# Altium PCB GPS_TRACKER.PcbDoc (part 1 of 2) (continued)
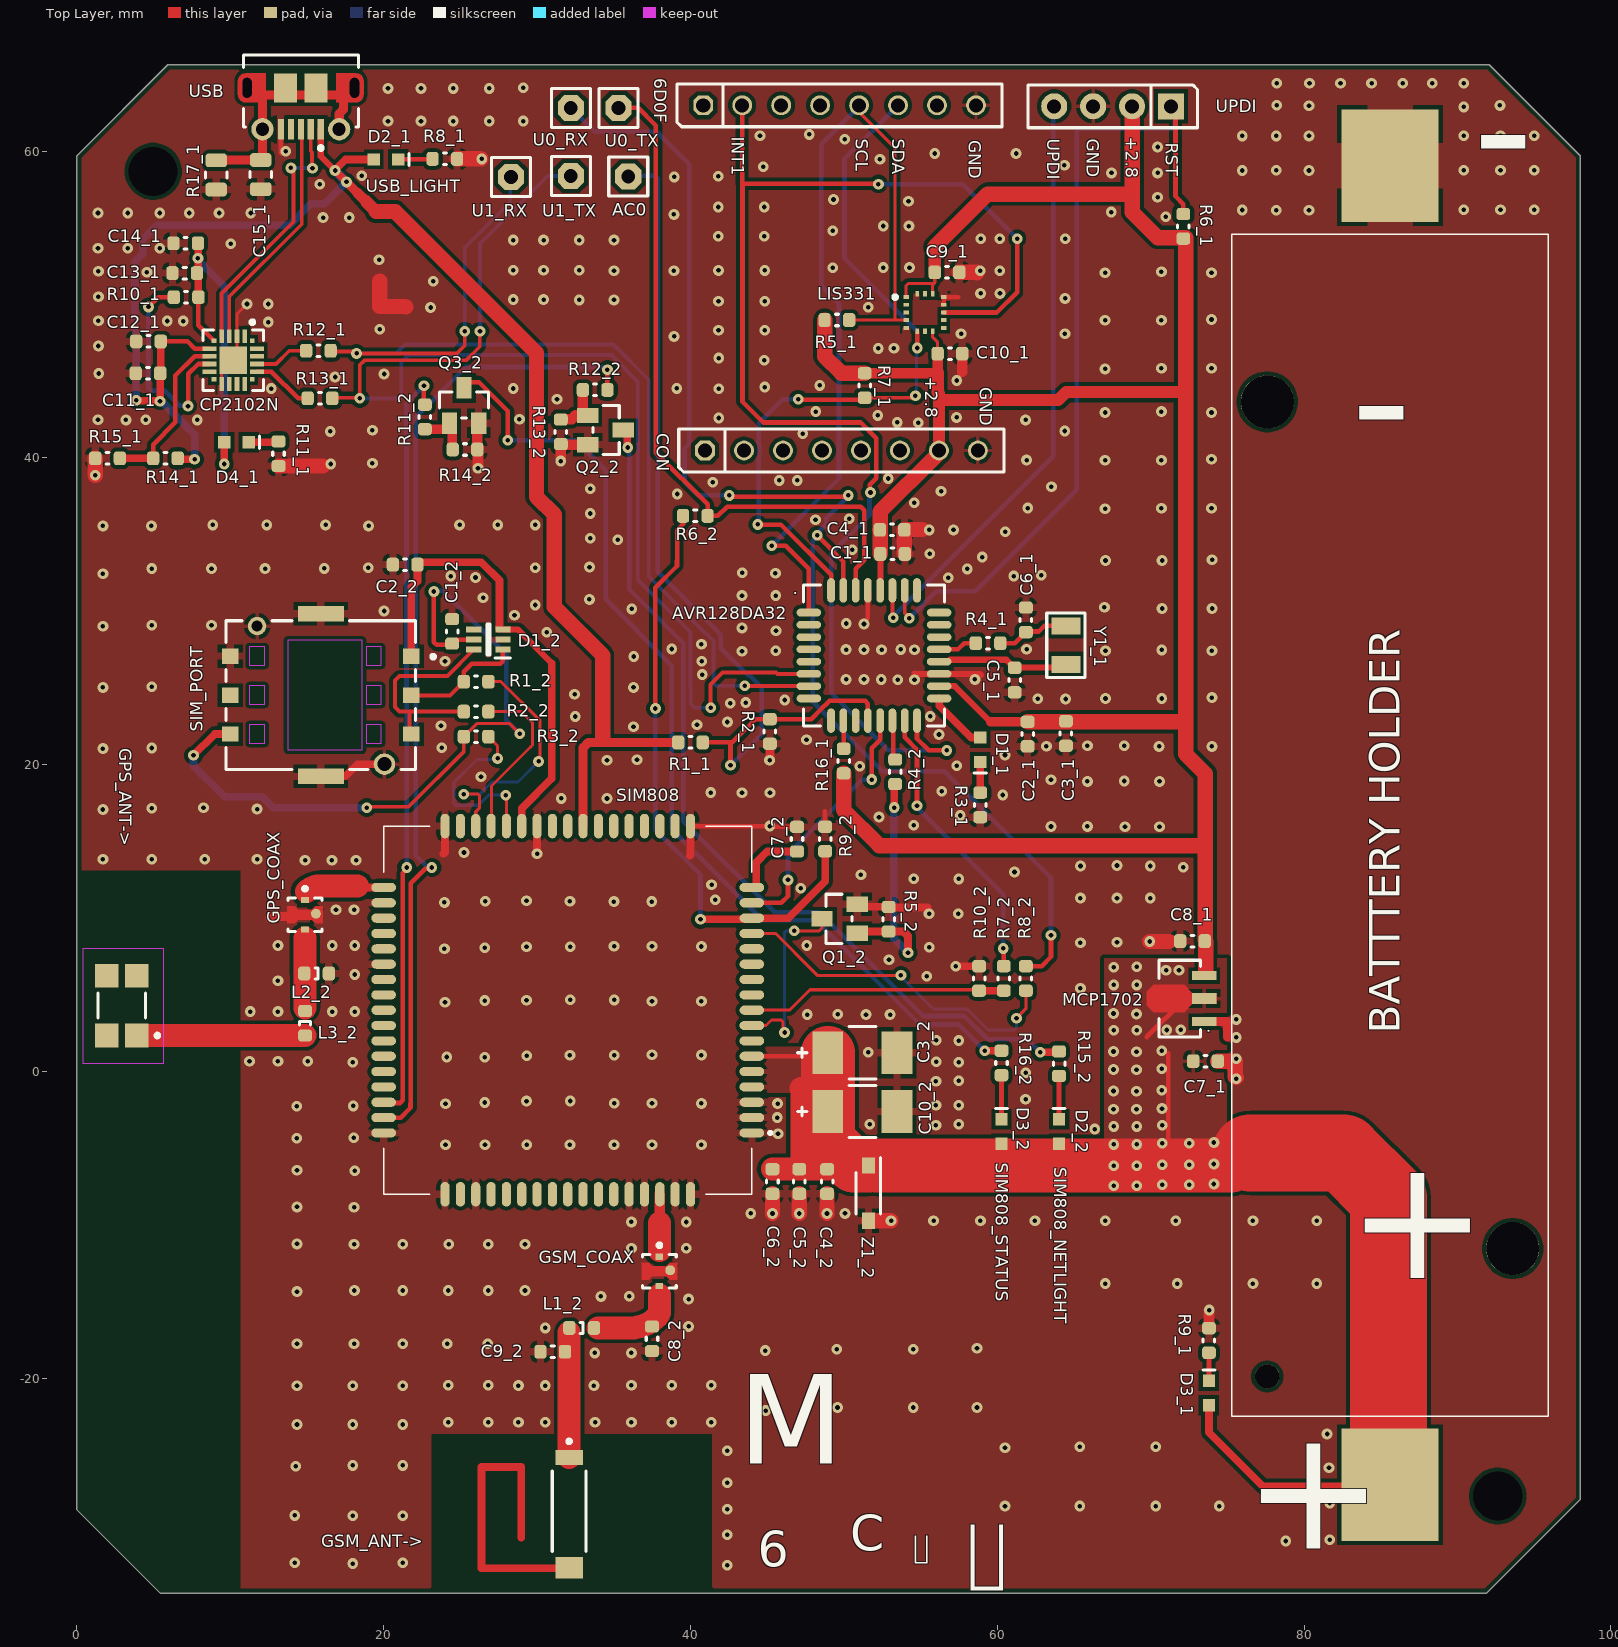
[diagram p0: Top Layer view]
## Footprints (in the part's own frame and the unit in brackets; to place one, negate y for a bottom-side part, rotate by r counter-clockwise, add the part's x,y. Pads: shape width x height; smd on the part's side, far side on the other; paste and mask are expansions set on the pad)
CAP_C_0603 [mm] "Chip Capacitor, 2-Leads, Body 1.6x0.8mm, IPC Medium Density"
  rrect50% 0.8x0.9 smd: 1(-0.8,0) 2(0.8,0)
  silkscreen extent -0.1,-0.38 0.1,0.38, body extent -0.8,-0.4 0.8,0.4, height 0.65
CAP_C_0805 [mm] "Chip Capacitor, 2-Leads, Body 2.0x1.3mm, IPC Medium Density"
  rrect50% 0.9x1.4 smd: 1(-0.95,0) 2(0.95,0)
  silkscreen extent -0.2,-0.7 0.2,0.7, body extent -1,-0.62 1,0.63, height 0.78
CRYSTAL_FX135A_L3.2W1.5H0.9 [mm] "Fox L=3.2mm, W=1.5mm, H=0.9mm"
  rect 1.11x1.9 smd: 1(-1.25,0)
  rect 1.1x1.9 smd: 2(1.25,0)
  silkscreen extent -2.1,-1.25 2.1,1.25, body extent -1.6,-0.75 1.6,0.75, height 0.8
FP-0900AT43A0070E-MFG [mm]
  rect 1x1.8 smd paste+0 mask+0: 1(-3.7,0)
  rect 1.4x1.8 smd paste+0 mask+0: 2(3.5,0)
  silkscreen extent -4.87,-1.1 2.42,1.1, body extent -4.3,-1.2 4.3,1.2, height 0.25
FP-1462350001-MFG [mm]
  rect 1.54x1.54 smd paste+0 mask+0: 1(0.97,-1.95) 2(-0.97,1.95) 3(0.97,1.95) 4(-0.97,-1.95)
  Keep-Out Layer region: -2.539,-3.75 2.741,-3.75 2.741,3.72 -2.539,3.72
  Keep-Out Layer region: -2.539,-3.75 2.741,-3.75 2.741,3.72 -2.539,3.72
  silkscreen extent -1.55,-2.07 2.45,0.8, body extent -2.54,-3.75 2.74,3.72, height 0.25
FP-CP2102N-A02-GQFN20-MFG [mm]
  rect 0.3x0.3 smd paste+0 mask+0: 1(-1.25,1.25) 6(-1.25,-1.25) 11(1.25,-1.25) 16(1.25,1.25)
  rect 0.9x0.3 smd paste+0 mask+0: 2(-1.55,0.75) 3(-1.55,0.25) 4(-1.55,-0.25) 5(-1.55,-0.75) 12(1.55,-0.75) 13(1.55,-0.25) 14(1.55,0.25) 15(1.55,0.75)
  rect 0.3x0.9 smd paste+0 mask+0: 7(-0.75,-1.55) 8(-0.25,-1.55) 9(0.25,-1.55) 10(0.75,-1.55) 17(0.75,1.55) 18(0.25,1.55) 19(-0.25,1.55) 20(-0.75,1.55)
  rect 1.8x1.8 smd paste-1000 mask+0: 21(0,0)
  silkscreen extent -2.6,-1.97 1.97,1.97, body extent -2.1,-2.1 2.1,2.1, height 0.25
FP-MM8030-2610RJ3-MFG [mm]
  rect 0.4x0.5 smd paste-1000 mask-1000: 1(-0.95,0) 2(0.95,0)
  round 0.646 smd paste-1000 mask-1000: 3(-0.069,0.706)
  Top Layer region: -0.55,-1.15 0.55,-1.15 0.55,-0.68 0.32,-0.45 0.32,0.45 0.55,0.68 0.55,1.15 -0.55,1.15 -0.55,0.68 -0.32,0.45 -0.32,-0.45 -0.55,-0.68
  silkscreen extent -1.82,-1.1 1.1,1.1, body extent -1.25,-1.25 1.25,1.25, height 0.25
FP-SIM8051-6-0-14-01-A-MFG [mm]
  round 1.2 hole 0.7 paste-1000 mask+0: 1(4.5,4.15)
  rect 1x3 smd paste+0 mask+0: 2(-5.3,0) 3(5.3,0)
  round 1.4 hole 0.914 paste-1000 mask+0: 4(-4.5,-4.15)
  rect 1x1.1 smd paste+0 mask+0: C1(2.54,-5.9) C2(0,-5.9) C3(-2.54,-5.9) C5(2.54,5.9) C6(0,5.9) C7(-2.54,5.9)
  Keep-Out Layer region: -3.575,-2.7 3.575,-2.7 3.575,2.15 -3.575,2.15
  Keep-Out Layer region: 1.94,-3.95 3.14,-3.95 3.14,-2.95 1.94,-2.95
  Keep-Out Layer region: -0.6,-3.95 0.6,-3.95 0.6,-2.95 -0.6,-2.95
  Keep-Out Layer region: -3.14,-3.95 -1.94,-3.95 -1.94,-2.95 -3.14,-2.95
  Keep-Out Layer region: -3.14,3.65 -1.94,3.65 -1.94,4.65 -3.14,4.65
  Keep-Out Layer region: -0.6,3.65 0.6,3.65 0.6,4.65 -0.6,4.65
  Keep-Out Layer region: 1.94,3.65 3.14,3.65 3.14,4.65 1.94,4.65
  silkscreen extent -4.84,-7.45 4.84,6.17, body extent -5.9,-6.55 5.9,6.55, height 0.25
FP-TAJC-MFG [mm]
  rect 2x2.8 smd paste+0 mask+0: 1(-2.25,0) 2(2.25,0)
  silkscreen extent -0.87,-1.7 4.23,1.7, body extent -3.35,-1.8 3.35,1.8, height 0.25
GSM808 [mm]
  rrect100% 1.6x0.6 smd: 1(-12,8) 2(-12,7) 3(-12,6) 4(-12,5) 5(-12,4) 6(-12,3) 7(-12,2) 8(-12,1) 9(-12,0) 10(-12,-1) 11(-12,-2) 12(-12,-3) 13(-12,-4) 14(-12,-5) 15(-12,-6) 16(-12,-7) 17(-12,-8) 35(12,-8) 36(12,-7) 37(12,-6) 38(12,-5) 39(12,-4) 40(12,-3) 41(12,-2) 42(12,-1) 43(12,0) 44(12,1) 45(12,2) 46(12,3) 47(12,4) 48(12,5) 49(12,6) 50(12,7) 51(12,8)
  rrect100% 0.6x1.6 smd: 18(-8,-12) 19(-7,-12) 20(-6,-12) 21(-5,-12) 22(-4,-12) 23(-3,-12) 24(-2,-12) 25(-1,-12) 26(0,-12) 27(1,-12) 28(2,-12) 29(3,-12) 30(4,-12) 31(5,-12) 32(6,-12) 33(7,-12) 34(8,-12) 52(8,12) 53(7,12) 54(6,12) 55(5,12) 56(4,12) 57(3,12) 58(2,12) 59(1,12) 60(0,12) 61(-1,12) 62(-2,12) 63(-3,12) 64(-4,12) 65(-5,12) 66(-6,12) 67(-7,12) 68(-8,12)
  silkscreen extent -13.3,-12 12,12, body extent -12,-12 12,12, height 2.6
HDR_F_2.54_1x4_U_TH_V_SAM_SSW-104-01-G-S [mm] "Header Female Vertical 4 Way 2.54mm Pitch"
  rect 1.7x1.7 hole 0.914: 1(-3.81,0)
  round 1.7 hole 0.914: 2(-1.27,0) 3(1.27,0) 4(3.81,0)
  silkscreen extent -5.53,-1.4 5.51,1.4, body extent -5.33,-1.21 5.33,1.21, height 8.51
HDR_F_2.54_1x8 [mil] "Header Female Vertical 8 Way 2.54mm Pitch"
  oct 51x51 hole 36: 1(-350,0)
  round 51 hole 36: 2(-250,0) 3(-150,0) 4(-50,0) 5(50,0) 6(150,0) 7(250,0) 8(350,0)
  silkscreen extent -418,-55 417,55, body extent -410,-48 410,48, height 335
HDR_M_2.54_1x1 [mm] "Header Male Vertical 1 Way"
  oct 1.7x1.7 hole 0.9: 1(0,0)
  silkscreen extent -1.27,-1.27 1.27,1.27, body extent -1.27,-1.27 1.27,1.27, height 5.94
IND_C_0603 [mm] "Chip Inductor, 2-Leads, Body 1.6x0.8mm, IPC Medium Density"
  rrect50% 0.8x0.9 smd: 1(-0.8,0) 2(0.8,0)
  silkscreen extent -0.1,-0.35 0.1,0.35, body extent -0.8,-0.4 0.8,0.4, height 0.95
KEYSTONE-1042 [mm]
  rect 7.34x6.35 smd: 1(-43,0) 2(43,0)
  round 3.45 hole 3.45 unplated: 3(-27.6,-8) 4(27.6,8)
  round 1.57 hole 1.57 unplated: 5(35.93,-8)
  silkscreen extent -38.53,-10.33 38.53,10.33, body extent -43.21,-10.33 43.21,10.32, height 15.11
LED_0603_Blue [mm] "LED chip 0603"
  rect 0.8x0.8 smd: 1(-0.8,0) 2(0.8,0)
  silkscreen extent 1.5,-0.4 1.5,0.4, body extent -0.81,-0.4 0.81,0.4, height 0.6
LED_0603_Green [mm] "LED chip 0603"
  rect 0.8x0.8 smd: 1(-0.8,0) 2(0.8,0)
  silkscreen extent 1.5,-0.4 1.5,0.4, body extent -0.81,-0.4 0.81,0.4, height 0.6
LED_0603_RED [mm] "LED chip 0603"
  rect 0.8x0.8 smd: 1(-0.8,0) 2(0.8,0)
  silkscreen extent 1.5,-0.4 1.5,0.4, body extent -0.81,-0.4 0.81,0.4, height 0.6
RES_C_0603 [mm] "Chip Resistor, 2-Leads, Body 1.6x0.8mm, IPC Medium Density"
  rrect50% 0.8x0.9 smd: 1(-0.8,0) 2(0.8,0)
  silkscreen extent -0.1,-0.38 0.1,0.38, body extent -0.8,-0.4 0.8,0.4, height 0.3
RES_C_0805 [mm] "Chip Resistor, 2-Leads, Body 2.0x1.3mm, IPC Medium Density"
  rrect50% 0.9x1.4 smd: 1(-0.95,0) 2(0.95,0)
  silkscreen extent -0.2,-0.7 0.2,0.7, body extent -1,-0.63 1,0.63, height 0.78
SOD3716X135N [mm]
  rect 1.05x0.85 smd: 1(-1.8,0) 2(1.8,0)
  silkscreen extent -2.32,-0.8 1.35,0.8, body extent -1.85,-0.8 1.85,0.8, height 1.35
SOT65P210X110-6N [mm]
  rect 1x0.4 smd: 1(-0.95,0.65) 2(-0.95,0) 3(-0.95,-0.65) 4(0.95,-0.65) 5(0.95,0) 6(0.95,0.65)
  silkscreen extent -1.45,-1 0.1,1.2, body extent -1.05,-1 1.05,1, height 1.1
SOT-23-3 [mm]
  rect 1x1.4 smd: 1(-0.95,-1.15) 2(0.95,-1.15) 3(0,1.15)
  silkscreen extent -1.6,-0.8 1.6,0.9, body extent -1.5,-1.25 1.5,1.25, height 1.09
SOT-89-3 [mm] "SOT-89-3, 4-Leads, Body 4.6x2.6mm (max), Pitch 1.5mm"
  rect 0.6x1.6 smd: 1(-1.5,-1.75) 3(1.5,-1.75)
  rect 0.7x1.6 smd: 2(0,-1.75)
  Top Layer region: 0.35,-2.55 0.35,-0.975 0.355,-0.975 0.9,-0.43 0.9,1.55 0.45,2 -0.45,2 -0.9,1.55 -0.9,-0.43 -0.895,-0.43 -0.35,-0.975 -0.35,-2.55
  silkscreen extent -2.5,-1.5 2.5,1.2, body extent -2.25,-2.25 2.25,1.75, height 1.5
STM-LGA16-3X3X1 [mm] "LGA, 16-Leads, Body 3x3mm, Pitch 0.5mm"
  rect 0.35x0.25 smd mask+0.1: 1(-1.225,1) 2(-1.225,0.5) 3(-1.225,0) 4(-1.225,-0.5) 5(-1.225,-1) 9(1.225,-1) 10(1.225,-0.5) 11(1.225,0) 12(1.225,0.5) 13(1.225,1)
  rect 0.25x0.35 smd mask+0.1: 6(-0.5,-1.225) 7(0,-1.225) 8(0.5,-1.225) 14(0.5,1.225) 15(0,1.225) 16(-0.5,1.225)
  silkscreen extent -2.07,0.88 -1.83,1.12, body extent -1.5,-1.5 1.5,1.5, height 1
TQFP-32_7x7 [mm] "TQFP, 32-Leads, Body 7x7mm, Pitch 0.80mm Height 1mm"
  oval 1.6x0.5 smd: 1(-4.25,2.8) 2(-4.25,2) 3(-4.25,1.2) 4(-4.25,0.4) 5(-4.25,-0.4) 6(-4.25,-1.2) 7(-4.25,-2) 8(-4.25,-2.8) 17(4.25,-2.8) 18(4.25,-2) 19(4.25,-1.2) 20(4.25,-0.4) 21(4.25,0.4) 22(4.25,1.2) 23(4.25,2) 24(4.25,2.8)
  oval 0.5x1.6 smd: 9(-2.8,-4.25) 10(-2,-4.25) 11(-1.2,-4.25) 12(-0.4,-4.25) 13(0.4,-4.25) 14(1.2,-4.25) 15(2,-4.25) 16(2.8,-4.25) 25(2.8,4.25) 26(2,4.25) 27(1.2,4.25) 28(0.4,4.25) 29(-0.4,4.25) 30(-1.2,4.25) 31(-2,4.25) 32(-2.8,4.25)
  silkscreen extent -4.6,-4.6 4.6,4.6, body extent -4.5,-4.5 4.5,4.5, height 1.45
USB-MICRO-B_V [mm] "USB, MICRO B, Body 7.491x4.695 mm, Pitch 0.65 mm"
  rect 0.4x1.35 smd: 1(-1.3,1.35) 2(-0.65,1.35) 3(0,1.35) 4(0.65,1.35) 5(1.3,1.35)
  round 1.45 hole 0.85: 6(-2.5,1.35) 7(2.5,1.35)
  rrect50% 0x0 hole 0.6 slot 1.3 at 90 deg: 8(-3.5,-1.35) 11(3.5,-1.35)
  rect 1.5x1.9 smd: 9(-1,-1.35) 10(1,-1.35)
  Top Layer circle w0.5: c3.6,-0.9 r0.25
  Top Layer circle w0.5: c3.6,-1.8 r0.25
  Top Layer circle w0.5: c-3.6,-0.9 r0.25
  Top Layer circle w0.5: c-3.6,-1.8 r0.25
  Top Layer region: -2.3,-2.3 -2.3,-0.4 -3.6,-0.4 -3.6,-2.3
  Top Layer region: 2.3,-0.4 2.3,-2.3 3.6,-2.3 3.6,-0.4
  Top Layer region: 3.6,-0.9 3.6,-1.8 4.1,-1.8 4.1,-0.9
  Top Layer region: -3.6,-1.8 -3.6,-0.9 -4.1,-0.9 -4.1,-1.8
  silkscreen extent -3.75,-3.5 3.75,2.7, body extent -4.1,-3.9 4.1,1.5, height 2.67

## Part data
6D0F CON: library part CON1113, Manufacturer 1=Sullins, Manufacturer 2="SHENZHEN JUNHAO ENGINEERING", Manufacturer Part Number 1=PPTC081LFBN-RC, Manufacturer Part Number 2=R-212-0810-0071-000, Supplier Part Number 1=S7006-ND, Category=Connector, ComponentLink1Description="SVN Datasheet", ComponentLink2Description="Local Datasheet", ComponentLink3Description="Open Symbol", ComponentLink3URL="C:\ALTIUM_WORK\00001_MCHP-CDB\Library\LibraryRefs\Header 1x8.SchLib", ComponentLink4Description="Open Footprint", ComponentLink4URL=C:\ALTIUM_WORK\00001_MCHP-CDB\Library\Footprints\HDR_F_2.54_1x8.PcbLib, ComponentLink5Description="Open Footprint 2", ComponentLink6Description="Open Footprint 3", ComponentLink7Description="Open Footprint 4", Description_="CON HDR-2.54 Female 1x8 Tin TH VERT", Dev Tools Status=Production, MCHP-ID=CON1113, Owner="Bogdan P (M91398)", Populated=Yes, Quantity Override=1, Revision=1, Status="MCL Design", Supplier 1=Digi-Key, Supplier 2="SHENZHEN JUNHAO ENGINEERING", Supplier Part Number 2=R-212-0810-0071-000, Symbol="Header 1x8", Type="Header 2.54mm"
AC0 U0_RX U0_TX U1_RX U1_TX: library part CON0182, Manufacturer 1="Samtec Inc.", Manufacturer 3="SHENZHEN JUNHAO ENGINEERING", Manufacturer 4=Samtec, Manufacturer 5="Shanghai NS-TECH", Manufacturer Part Number 1=TSW-101-07-G-S, Manufacturer Part Number 2=TSW-101-07-S-S, Manufacturer Part Number 3=211-0111-0021-400, Manufacturer Part Number 4=TSW-101-07-L-S, Manufacturer Part Number 5=NS-201-SH0100-1*1, Supplier Part Number 1=SAM1029-01-ND, Voltage=550VAC, Assembly Type=TH, Category=Connector, ComponentLink1Description="SVN Datasheet", ComponentLink1URL=https://chn-vm-apps.microchip.com/mchprepo/parts/Datasheets/TSW-XXX-XX-XXX-X-XX-XXX-MKT.pdf, ComponentLink2Description="Local Datasheet", ComponentLink2URL=C:\ALTIUM_WORK\00001_MCHP-CDB\Datasheets\TSW-XXX-XX-XXX-X-XX-XXX-MKT.pdf, ComponentLink3Description="Open Symbol", ComponentLink3URL="C:\ALTIUM_WORK\00001_MCHP-CDB\Library\LibraryRefs\Header 1x1.SchLib", ComponentLink4Description="Open Footprint", ComponentLink4URL=C:\ALTIUM_WORK\00001_MCHP-CDB\Library\Footprints\HDR_M_2.54_1x1.PcbLib, ComponentLink5Description="Open Footprint 2", ComponentLink6Description="Open Footprint 3", ComponentLink7Description="Open Footprint 4", Custom Parameters="Operating temp: -55C to +125C", Description_="CON HDR-2.54 Male 1x1 Gold 5.84MH TH VERT", Dev Tools Status=Production, Manufacturer 2="Samtec Inc.", MCHP-ID=CON0182, Populated=YES, Quantity Override=1, Revision=6, Status="MCL Design", Supplier 1=Digi-Key, Supplier 2=Digi-Key, Supplier 3="SHENZHEN JUNHAO ENGINEERING", Supplier 4=Samtec, Supplier 5="Shanghai NS-TECH", Supplier Part Number 2=SAM1033-01-ND, Supplier Part Number 3=211-0111-0021-400, Supplier Part Number 4=TSW-101-07-L-S, Supplier Part Number 5=NS-201-SH0100-1*1, Symbol="Header 1x1", Type="Header 2.54mm"
AVR128DA32: library part MIC9190, Manufacturer 1="Microchip Technology", Manufacturer Part Number 1=AVR64DD32-I/PT, Operating Temperature="-40C to +85C", Category=MCHP-Microcontroller, ComponentLink1Description="SVN Datasheet", ComponentLink1URL="https://chn-vm-apps.microchip.com/mchprepo/parts/Datasheets/AVR64DD3228 Advance DataSheet=1=Microchip PDF=en-US.pdf", ComponentLink2Description="Local Datasheet", ComponentLink2URL="C:\ALTIUM_WORK\00001_MCHP-CDB\Datasheets\AVR64DD3228 Advance DataSheet=1=Microchip PDF=en-US.pdf", ComponentLink3Description="Open Symbol", ComponentLink3URL="C:\ALTIUM_WORK\00001_MCHP-CDB\Library\LibraryRefs\AVR64DD32 TQFP-32.SchLib", ComponentLink4Description="Open Footprint", ComponentLink4URL=C:\ALTIUM_WORK\00001_MCHP-CDB\Library\Footprints\TQFP-32_7x7.PcbLib, ComponentLink5Description="Open Footprint 2", ComponentLink6Description="Open Footprint 3", ComponentLink7Description="Open Footprint 4", Description_="MCHP MCU 8-bit 24MHz 64KB 8KB AVR64DD32-I/PT TQFP-32", Dev Tools Status=Production, MCHP-ID=MIC9190, Owner="Simen Tanbergmoen", Populated=YES, Quantity Override=1, Revision=1, Status="MCL Design", Supplier 1="Microchip Technology", Supplier Part Number 1=AVR64DD32-I/PT, Symbol="AVR64DD32 TQFP-32", Type=8-Bit
"BATTTERY HOLDER": library part 1042, "Undefined or Miscellaneous", Manufacturer_Name="Keystone Electronics", Mouser Part Number=534-1042, Datasheet Link=http://www.mouser.com/ds/2/215/042-744829.pdf, Manufacturer_Part_Number=1042, Mouser Price/Stock=https://www.mouser.co.uk/ProductDetail/Keystone-Electronics/1042?qs=%2F7TOpeL5Mz4qPdWi9tuLKw%3D%3D
C1_1: library part CAP0597, Manufacturer 1="TDK Corporation", Manufacturer Part Number 1=C1608X5R1C225K080AB, Operating Temperature="-55C to +85C", Package=0603, Supplier Part Number 1=445-5157-1-ND, Temperature Coefficient=X5R, Tolerance=10%, Voltage=16V, Category=Capacitor, ComponentLink1Description="SVN Datasheet", ComponentLink1URL=https://chn-vm-apps.microchip.com/mchprepo/parts/Datasheets/general_B11.pdf, ComponentLink2Description="Local Datasheet", ComponentLink2URL=C:\ALTIUM_WORK\00001_MCHP-CDB\Datasheets\general_B11.pdf, ComponentLink3Description="Open Symbol", ComponentLink3URL="C:\ALTIUM_WORK\00001_MCHP-CDB\Library\LibraryRefs\Capacitor NP.SchLib", ComponentLink4Description="Open Footprint", ComponentLink4URL=C:\ALTIUM_WORK\00001_MCHP-CDB\Library\Footprints\CAP_C_0603.PcbLib, ComponentLink5Description="Open Footprint 2", ComponentLink6Description="Open Footprint 3", ComponentLink7Description="Open Footprint 4", Description_="CAP CER 2.2uF 16V 10% X5R SMD 0603", Dev Tools Status=Production, MCHP-ID=CAP0597, Populated=Yes, Quantity Override=1, Revision=6, Status="MCL Design", Supplier 1=Digi-Key, Symbol="Capacitor NP", Type=Ceramic
C1_2: library part CAP0074, Manufacturer 1=Cal-Chip, Manufacturer 2=Panasonic, Manufacturer 4=Yageo, Manufacturer 6="NIC Components", Manufacturer 7="Samsung Electro-Mechanics", Manufacturer Part Number 1=GMC10CG220J50NTLF, Manufacturer Part Number 2=ECJ-1VC1H220J, Manufacturer Part Number 3=ECU-V1H220JCV, Manufacturer Part Number 4=0603CG220J9B200, Manufacturer Part Number 5=CC0603JRNP09BN220, Manufacturer Part Number 6=NMC0603NPO220J50TRPF, Manufacturer Part Number 7=CL10C220JB8NNNC, Manufacturer Part Number 8=CC0603JRNPO9BN220, Operating Temperature="-55C to +125C", Package=0603, Temperature Coefficient=NP0, Tolerance=5%, Voltage=50V, Category=Capacitor, ComponentLink1Description="SVN Datasheet", ComponentLink1URL=https://chn-vm-apps.microchip.com/mchprepo/parts/Datasheets/ECJ__General_.pdf, ComponentLink2Description="Local Datasheet", ComponentLink2URL=C:\ALTIUM_WORK\00001_MCHP-CDB\Datasheets\ECJ__General_.pdf, ComponentLink3Description="Open Symbol", ComponentLink3URL="C:\ALTIUM_WORK\00001_MCHP-CDB\Library\LibraryRefs\Capacitor NP.SchLib", ComponentLink4Description="Open Footprint", ComponentLink4URL=C:\ALTIUM_WORK\00001_MCHP-CDB\Library\Footprints\CAP_C_0603.PcbLib, ComponentLink5Description="Open Footprint 2", ComponentLink6Description="Open Footprint 3", ComponentLink7Description="Open Footprint 4", Description_="CAP CER 22pF 50V 5% NP0 SMD 0603", Dev Tools Status=Production, Manufacturer 3=Panasonic, Manufacturer 5=Yageo, Manufacturer 8=Yageo, MCHP-ID=CAP0074, Populated=Yes, Quantity Override=1, Revision=3, Status="MCL Design", Supplier 1=Cal-Chip, Supplier 2=Digi-Key, Supplier 3=Digi-Key, Supplier 4="NIC Components", Supplier 5="Samsung Electro-Mechanics", Supplier 6=Yageo, Supplier Part Number 1=GMC10CG220J50NTLF, Supplier Part Number 2=PCC220ACVTR-ND, Supplier Part Number 3=311-1062-1-ND, Supplier Part Number 4=NMC0603NPO220J50TRPF, Supplier Part Number 5=CL10C220JB8NNNC, Supplier Part Number 6=CC0603JRNPO9BN220, Symbol="Capacitor NP", Type=Ceramic
C2_1 C3_1 C4_1 C10_1 C12_1 C14_1: library part CAP0011, Manufacturer 1="Taiyo Yuden", Manufacturer 2="D1_Murata Electronics North America", Manufacturer 3=D5_AVX, Manufacturer 4="Samsung Electro-Mechanics", Manufacturer 6="Würth Elektronik", Manufacturer 7=Yageo, Manufacturer Part Number 1=EMK107B7104KA-T, Manufacturer Part Number 2=GCM188R71C104KA37D, Manufacturer Part Number 3=0603YC104KAT2A, Manufacturer Part Number 4=CL10B104KO8NNNC, Manufacturer Part Number 6=885012206046, Manufacturer Part Number 7=CC0603KRX7R7BB104, Operating Temperature="-55C to +125C", Package=0603, Supplier Part Number 1=86H5248, Temperature Coefficient=X7R, Tolerance=10%, Voltage=16V, Category=Capacitor, ComponentLink1Description="SVN Datasheet", ComponentLink1URL=https://chn-vm-apps.microchip.com/mchprepo/parts/Datasheets/nmc2.pdf, ComponentLink2Description="Local Datasheet", ComponentLink2URL=C:\ALTIUM_WORK\00001_MCHP-CDB\Datasheets\nmc2.pdf, ComponentLink3Description="Open Symbol", ComponentLink3URL="C:\ALTIUM_WORK\00001_MCHP-CDB\Library\LibraryRefs\Capacitor NP.SchLib", ComponentLink4Description="Open Footprint", ComponentLink4URL=C:\ALTIUM_WORK\00001_MCHP-CDB\Library\Footprints\CAP_C_0603.PcbLib, ComponentLink5Description="Open Footprint 2", ComponentLink6Description="Open Footprint 3", ComponentLink7Description="Open Footprint 4", Description_="CAP CER 0.1uF 16V 10% X7R SMD 0603", Dev Tools Status=Production, Manufacturer 5="Taiyo Yuden", Manufacturer Part Number 5=EMK107B7104KA-T, MCHP-ID=CAP0011, Owner="Cristian Papuc", Populated=YES, Quantity Override=1, Revision=6, Status="MCL Design", Supplier 1=Newark, Supplier 2=Digi-Key, Supplier 3=Digi-Key, Supplier 4=Digi-Key, Supplier 5=Digi-Key, Supplier 6=Digi-Key, Supplier 7=Digi-Key, Supplier Part Number 2=490-4774-1-ND, Supplier Part Number 3=478-1239-1-ND, Supplier Part Number 4=1276-1005-1-ND, Supplier Part Number 5=587-1240-1-ND, Supplier Part Number 6=732-7965-1-ND, Supplier Part Number 7=311-1088-1-ND, Symbol="Capacitor NP", Type=Ceramic
C2_2 C4_2 C7_1 C8_1: library part CAP0265, Manufacturer 1=D5_AVX, Manufacturer 2=KEMET, Manufacturer 3="TDK Corporation", Manufacturer 4=Vishay, Manufacturer 5=Yageo, Manufacturer Part Number 1=0603YD105KAT2A, Manufacturer Part Number 2=C0603C105K4PACTU, Manufacturer Part Number 3=C1608X5R1C105K080AA, Manufacturer Part Number 4=VJ0603G105KXJCW1BC, Manufacturer Part Number 5=CC0603KRX5R7BB105, Operating Temperature="-55C to +85C", Package=0603, Supplier Part Number 1=478-1249-1-ND, Temperature Coefficient=X5R, Tolerance=10%, Voltage=16V, Category=Capacitor, ComponentLink1Description="SVN Datasheet", ComponentLink1URL=https://chn-vm-apps.microchip.com/mchprepo/parts/Datasheets/smccp.pdf, ComponentLink2Description="Local Datasheet", ComponentLink2URL=C:\ALTIUM_WORK\00001_MCHP-CDB\Datasheets\smccp.pdf, ComponentLink3Description="Open Symbol", ComponentLink3URL="C:\ALTIUM_WORK\00001_MCHP-CDB\Library\LibraryRefs\Capacitor NP.SchLib", ComponentLink4Description="Open Footprint", ComponentLink4URL=C:\ALTIUM_WORK\00001_MCHP-CDB\Library\Footprints\CAP_C_0603.PcbLib, ComponentLink5Description="Open Footprint 2", ComponentLink6Description="Open Footprint 3", ComponentLink7Description="Open Footprint 4", Description_="CAP CER 1uF 16V 10% X5R SMD 0603", Dev Tools Status=Production, MCHP-ID=CAP0265, Populated=Yes, Quantity Override=1, Revision=6, Status="MCL Design", Supplier 1=Digi-Key, Supplier 2=Digi-Key, Supplier 3=Digi-Key, Supplier 4=Digi-Key, Supplier 5=Digi-Key, Supplier Part Number 2=399-5090-1-ND, Supplier Part Number 3=445-1416-1-ND, Supplier Part Number 4=720-1851-1-ND, Supplier Part Number 5=311-1444-1-ND, Symbol="Capacitor NP", Type=Ceramic
C3_2 C10_2: library part CMP-2100-03690-2, "100uF 10V  ±10% 1.2Ω 2312  SMD Tantalum Capacitor", Capacitance=100uF, Case Code (Imperial)=2412, Case Code (Metric)=6032, Case/Package=Molded, Dielectric Material=Tantalum, ESR (Equivalent Series Resistance)=1.2R, Leakage Current=10uA, Max Operating Temperature=125°C, Min Operating Temperature=-55°C, Package Quantity=1, Tolerance=10%, Voltage=10V, Construction=Flat, Depth=3.2mm, Dissipation Factor=8%, Features="General Purpose", Height=2.6mm, Height - Seated (Max)=0.11inch, Lead Free="Lead Free", Length=6mm, Mount="Surface Mount", Number of Pins=2, Packaging="Tape and Reel", Polarity=Polar, Radiation Hardening=No, REACH SVHC="No SVHC", RoHS Compliant=Yes, Series=TAJ, Termination=SMD/SMT, Voltage Rating=10V, Voltage Rating (DC)=10V, Width=3.2mm
C5_1: library part CAP2488, Manufacturer 1="Würth Elektronik", Manufacturer Part Number 1=885012006051, Operating Temperature="-55C to +125C", Package=0603, Supplier Part Number 1=732-7793-1-ND, Temperature Coefficient=C0G, Tolerance=5%, Voltage=50V, Category=Capacitor, ComponentLink1Description="SVN Datasheet", ComponentLink1URL=https://chn-vm-apps.microchip.com/mchprepo/parts/Datasheets/885012006051.pdf, ComponentLink2Description="Local Datasheet", ComponentLink2URL=C:\ALTIUM_WORK\00001_MCHP-CDB\Datasheets\885012006051.pdf, ComponentLink3Description="Open Symbol", ComponentLink3URL="C:\ALTIUM_WORK\00001_MCHP-CDB\Library\LibraryRefs\Capacitor NP.SchLib", ComponentLink4Description="Open Footprint", ComponentLink4URL=C:\ALTIUM_WORK\00001_MCHP-CDB\Library\Footprints\CAP_C_0603.PcbLib, ComponentLink5Description="Open Footprint 2", ComponentLink6Description="Open Footprint 3", ComponentLink7Description="Open Footprint 4", Description_="CAP CER 10pF 5% 50V C0G SMD 0603", Dev Tools Status=Design, MCHP-ID=CAP2488, Owner="Cristina Salanti", Populated=YES, Quantity Override=1, Revision=2, Status="MCL Design", Supplier 1=Digi-Key, Symbol="Capacitor NP", Type=Ceramic
C5_2: library part CAP0088, Manufacturer 1=Cal-Chip, Manufacturer 2=KEMET, Manufacturer 3=Panasonic, Manufacturer 4="TDK Corporation", Manufacturer 5=Yageo, Manufacturer 6="NIC Components", Manufacturer 8="Samsung Electro-Mechanics", Manufacturer Part Number 1=GMC10CG330J50NTLF, Manufacturer Part Number 2=C0603C330J5GACTU, Manufacturer Part Number 3=ECU-V1H330JCV, Manufacturer Part Number 4=C1608C0G1H330J, Manufacturer Part Number 5=CC0603JRNP09BN330, Manufacturer Part Number 6=NMC0603NPO330J50TRPF, Manufacturer Part Number 7=ECJ-1VC1H330J, Manufacturer Part Number 8=CL10C330JB8NNNC, Manufacturer Part Number 9=CC0603JRNPO9BN330, Operating Temperature="-55C to +125C", Package=0603, Temperature Coefficient=NP0, Tolerance=5%, Voltage=50V, Category=Capacitor, ComponentLink1Description="SVN Datasheet", ComponentLink1URL=https://chn-vm-apps.microchip.com/mchprepo/parts/Datasheets/KEM_C1002_X7R_SMD.pdf, ComponentLink2Description="Local Datasheet", ComponentLink2URL=C:\ALTIUM_WORK\00001_MCHP-CDB\Datasheets\KEM_C1002_X7R_SMD.pdf, ComponentLink3Description="Open Symbol", ComponentLink3URL="C:\ALTIUM_WORK\00001_MCHP-CDB\Library\LibraryRefs\Capacitor NP.SchLib", ComponentLink4Description="Open Footprint", ComponentLink4URL=C:\ALTIUM_WORK\00001_MCHP-CDB\Library\Footprints\CAP_C_0603.PcbLib, ComponentLink5Description="Open Footprint 2", ComponentLink6Description="Open Footprint 3", ComponentLink7Description="Open Footprint 4", Description_="CAP CER 33pF 50V 5% NP0 SMD 0603", Dev Tools Status=Production, Manufacturer 7=Panasonic, Manufacturer 9=Yageo, MCHP-ID=CAP0088, Populated=Yes, Quantity Override=1, Revision=4, Status="MCL Design", Supplier 1=Cal-Chip, Supplier 2=Digi-Key, Supplier 3=Digi-Key, Supplier 4=Digi-Key, Supplier 5=Digi-Key, Supplier 6="NIC Components", Supplier 7=Panasonic, Supplier 8="Samsung Electro-Mechanics", Supplier 9=Yageo, Supplier Part Number 1=GMC10CG330J50NTLF, Supplier Part Number 2=399-1055-1-ND, Supplier Part Number 3=PCC330ACVTR-ND, Supplier Part Number 4=445-1275-2-ND, Supplier Part Number 5=311-1064-1-ND, Supplier Part Number 6=NMC0603NPO330J50TRPF, Supplier Part Number 7=ECJ-1VC1H330J, Supplier Part Number 8=CL10C330JB8NNNC, Supplier Part Number 9=CC0603JRNPO9BN330, Symbol="Capacitor NP", Type=Ceramic
C6_1: library part CAP2468, Manufacturer 1=Yageo, Manufacturer Part Number 1=CC0603GRNPO9BN130, Operating Temperature="-55C to +125C", Package=0603, Supplier Part Number 1=311-3919-1-ND, Temperature Coefficient=NP0, Tolerance=2%, Voltage=50V, Category=Capacitor, ComponentLink1Description="SVN Datasheet", ComponentLink1URL=https://chn-vm-apps.microchip.com/mchprepo/parts/Datasheets/UPY-GP_NP0_16V-to-50V_18.pdf, ComponentLink2Description="Local Datasheet", ComponentLink2URL=C:\ALTIUM_WORK\00001_MCHP-CDB\Datasheets\UPY-GP_NP0_16V-to-50V_18.pdf, ComponentLink3Description="Open Symbol", ComponentLink3URL="C:\ALTIUM_WORK\00001_MCHP-CDB\Library\LibraryRefs\Capacitor NP.SchLib", ComponentLink4Description="Open Footprint", ComponentLink4URL=C:\ALTIUM_WORK\00001_MCHP-CDB\Library\Footprints\CAP_C_0603.PcbLib, ComponentLink5Description="Open Footprint 2", ComponentLink6Description="Open Footprint 3", ComponentLink7Description="Open Footprint 4", Description_="Ceramic capacitor, SMD 0603, 13pF, NP0, 50V, +/-2%", Dev Tools Status=Design, MCHP-ID=CAP2468, Owner="Dragos Danaila", Populated=YES, Quantity Override=1, Revision=2, Status="MCL Design", Supplier 1=Digi-Key, Symbol="Capacitor NP", Type=Ceramic
C6_2: library part CAP1048, Manufacturer 1="TDK Corporation", Manufacturer 2="Samsung Electro-Mechanics", Manufacturer 3=Yageo, Manufacturer Part Number 1=C1608C0G1H100D, Manufacturer Part Number 2=CL10C100DB8NNNC, Manufacturer Part Number 3=CC0603DRNPO9BN100, Operating Temperature="-55C to +125C", Package=0603, Supplier Part Number 1=445-1269-1-ND, Temperature Coefficient=C0G, Tolerance=0.5pF, Voltage=50V, Category=Capacitor, ComponentLink1Description="SVN Datasheet", ComponentLink1URL=https://chn-vm-apps.microchip.com/mchprepo/parts/Datasheets/general_B11.pdf, ComponentLink2Description="Local Datasheet", ComponentLink2URL=C:\ALTIUM_WORK\00001_MCHP-CDB\Datasheets\general_B11.pdf, ComponentLink3Description="Open Symbol", ComponentLink3URL="C:\ALTIUM_WORK\00001_MCHP-CDB\Library\LibraryRefs\Capacitor NP.SchLib", ComponentLink4Description="Open Footprint", ComponentLink4URL=C:\ALTIUM_WORK\00001_MCHP-CDB\Library\Footprints\CAP_C_0603.PcbLib, ComponentLink5Description="Open Footprint 2", ComponentLink6Description="Open Footprint 3", ComponentLink7Description="Open Footprint 4", Description_="CAP CER 10pF 50V 0.5pF C0G SMD 0603", Dev Tools Status=Production, MCHP-ID=CAP1048, Owner="Leah Whitaker", Populated=YES, Quantity Override=1, Revision=4, Status="MCL Design", Supplier 1=Digi-Key, Supplier 2="Samsung Electro-Mechanics", Supplier 3=Yageo, Supplier Part Number 2=CL10C100DB8NNNC, Supplier Part Number 3=CC0603DRNPO9BN100, Symbol="Capacitor NP", Type=Ceramic
C7_2 C11_1 C13_1: library part CAP0384, Manufacturer 1=Murata, Manufacturer 2="Taiyo Yuden", Manufacturer Part Number 1=GRM188F51A475ZE20D, Manufacturer Part Number 2=JMK107BJ475KA-T, Operating Temperature="-30C to +85C", Package=0603, Supplier Part Number 1=490-3302-1-ND, Temperature Coefficient=Y5V, Tolerance=80%, Voltage=10V, Category=Capacitor, ComponentLink1Description="SVN Datasheet", ComponentLink1URL=https://chn-vm-apps.microchip.com/mchprepo/parts/Datasheets/L0005E.pdf, ComponentLink2Description="Local Datasheet", ComponentLink2URL=C:\ALTIUM_WORK\00001_MCHP-CDB\Datasheets\L0005E.pdf, ComponentLink3Description="Open Symbol", ComponentLink3URL="C:\ALTIUM_WORK\00001_MCHP-CDB\Library\LibraryRefs\Capacitor NP.SchLib", ComponentLink4Description="Open Footprint", ComponentLink4URL=C:\ALTIUM_WORK\00001_MCHP-CDB\Library\Footprints\CAP_C_0603.PcbLib, ComponentLink5Description="Open Footprint 2", ComponentLink6Description="Open Footprint 3", ComponentLink7Description="Open Footprint 4", Description_="CAP CER 4.7uF 10V 80% Y5V SMD 0603", Dev Tools Status=Production, MCHP-ID=CAP0384, Populated=Yes, Quantity Override=1, Revision=2, Status="MCL Design", Supplier 1=Digi-Key, Supplier 2=Digi-Key, Supplier Part Number 2=587-1785-1-nd, Symbol="Capacitor NP", Type=Ceramic
C8_2 C9_2: library part CAP1229, Manufacturer 1=Murata, Manufacturer 2="Samsung Electro-Mechanics", Manufacturer Part Number 1=GRM1885C1H3R3CA01D, Manufacturer Part Number 2=CL10C3R3CB8NNNC, Operating Temperature="-55C to +125C", Package=0603, Supplier Part Number 1=490-10717-1-ND, Temperature Coefficient=NP0, Tolerance=0.25pF, Category=Capacitor, ComponentLink1Description="SVN Datasheet", ComponentLink1URL=https://chn-vm-apps.microchip.com/mchprepo/parts/Datasheets/c02e.pdf, ComponentLink2Description="Local Datasheet", ComponentLink2URL=C:\ALTIUM_WORK\00001_MCHP-CDB\Datasheets\c02e.pdf, ComponentLink3Description="Open Symbol", ComponentLink3URL="C:\ALTIUM_WORK\00001_MCHP-CDB\Library\LibraryRefs\Capacitor NP.SchLib", ComponentLink4Description="Open Footprint", ComponentLink4URL=C:\ALTIUM_WORK\00001_MCHP-CDB\Library\Footprints\CAP_C_0603.PcbLib, ComponentLink5Description="Open Footprint 2", ComponentLink6Description="Open Footprint 3", ComponentLink7Description="Open Footprint 4", Description_="CAP CER 3.3pF 50V 0.25pF NP0 SMD 0603", Dev Tools Status=Production, MCHP-ID=CAP1229, Populated=YES, Quantity Override=1, Revision=1, Status="MCL Design", Supplier 1=Digi-Key, Supplier 2="Samsung Electro-Mechanics", Supplier Part Number 2=CL10C3R3CB8NNNC, Symbol="Capacitor NP", Type=Ceramic
C9_1: library part CAP0533, Manufacturer 1=AVX, Manufacturer 2=KEMET, Manufacturer 3=Murata, Manufacturer 4="TDK Corporation", Manufacturer Part Number 1=06036D106MAT2A, Manufacturer Part Number 2=C0603C106M9PACTU, Manufacturer Part Number 3=GRM188R60J106ME47D, Manufacturer Part Number 4=C1608X5R0J106M080AB, Manufacturer Part Number 5=C1608X5R0J106M, Operating Temperature="-55C to +85C", Package=0603, Supplier Part Number 1=478-5318-2-ND, Temperature Coefficient=X5R, Tolerance=20%, Voltage=6.3V, Category=Capacitor, ComponentLink1Description="SVN Datasheet", ComponentLink1URL=https://chn-vm-apps.microchip.com/mchprepo/parts/Datasheets/smccp.pdf, ComponentLink2Description="Local Datasheet", ComponentLink2URL=C:\ALTIUM_WORK\00001_MCHP-CDB\Datasheets\smccp.pdf, ComponentLink3Description="Open Symbol", ComponentLink3URL="C:\ALTIUM_WORK\00001_MCHP-CDB\Library\LibraryRefs\Capacitor NP.SchLib", ComponentLink4Description="Open Footprint", ComponentLink4URL=C:\ALTIUM_WORK\00001_MCHP-CDB\Library\Footprints\CAP_C_0603.PcbLib, ComponentLink5Description="Open Footprint 2", ComponentLink6Description="Open Footprint 3", ComponentLink7Description="Open Footprint 4", Description_="CAP CER 10uF 6.3V 20% X5R SMD 0603", Dev Tools Status=Production, Manufacturer 5="TDK Corporation", MCHP-ID=CAP0533, Populated=Yes, Quantity Override=1, Revision=1, Status="MCL Design", Supplier 1=Digi-Key, Supplier 2=Digi-Key, Supplier 3=Digi-Key, Supplier 4=Digi-Key, Supplier Part Number 2=399-5504-1-ND, Supplier Part Number 3=445-3472-1-ND, Supplier Part Number 4=445-4112-1-ND, Symbol="Capacitor NP", Type=Ceramic
C15_1: library part CAP0036, Manufacturer 1="D3_Johanson Dielectrics Inc", Manufacturer 2="Würth Elektronik", Manufacturer 3=Yageo, Manufacturer Part Number 1=500R15N101JV4T, Manufacturer Part Number 2=885012007057, Manufacturer Part Number 3=CC0805JRNPO9BN101, Operating Temperature="-55C to +125C", Package=0805, Supplier Part Number 1=709-1176-1-ND, Temperature Coefficient=C0G, Tolerance=5%, Voltage=2kV, Category=Capacitor, ComponentLink1Description="SVN Datasheet", ComponentLink1URL=https://chn-vm-apps.microchip.com/mchprepo/parts/Datasheets/885012007057.pdf, ComponentLink2Description="Local Datasheet", ComponentLink2URL=C:\ALTIUM_WORK\00001_MCHP-CDB\Datasheets\885012007057.pdf, ComponentLink3Description="Open Symbol", ComponentLink3URL="C:\ALTIUM_WORK\00001_MCHP-CDB\Library\LibraryRefs\Capacitor NP.SchLib", ComponentLink4Description="Open Footprint", ComponentLink4URL=C:\ALTIUM_WORK\00001_MCHP-CDB\Library\Footprints\CAP_C_0805.PcbLib, ComponentLink5Description="Open Footprint 2", ComponentLink6Description="Open Footprint 3", ComponentLink7Description="Open Footprint 4", Description_="CAP CER 100pF 50V 5% C0G SMD 0805", Dev Tools Status=Production, MCHP-ID=CAP0036, Owner="Cristian Papuc", Populated=DNP, Quantity Override=1, Revision=3, Status="MCL Design", Supplier 1=Digi-Key, Supplier 2=Digi-Key, Supplier 3=Yageo, Supplier Part Number 2=732-7852-1-ND, Supplier Part Number 3=CC0805JRNPO9BN101, Symbol="Capacitor NP", Type=Ceramic
CP2102N: library part CMP-08093-000006-1, "IC USB TO UART BRIDGE QFN20"
D1_1 D2_2 D3_2 D4_1: library part LED0063, "LED", Forward Current=40mA, Manufacturer 1=Lite-On, Manufacturer Part Number 1=LTST-C190KRKT, Manufacturer Part Number 2=LTST-C190CKT, Operating Temperature="-55C to +85C", Package=0603, Power=100mW, Reverse Current=100uA, Reverse Voltage=5V, Supplier Part Number 1=160-1436-1-ND, Category=Diode, ComponentLink1Description="SVN Datasheet", ComponentLink1URL=https://chn-vm-apps.microchip.com/mchprepo/parts/Datasheets/LTST-C190CKT.pdf, ComponentLink2Description="Local Datasheet", ComponentLink2URL=C:\ALTIUM_WORK\00001_MCHP-CDB\Datasheets\LTST-C190CKT.pdf, ComponentLink3Description="Open Symbol", ComponentLink3URL=C:\ALTIUM_WORK\00001_MCHP-CDB\Library\LibraryRefs\LED_red.SchLib, ComponentLink4Description="Open Footprint", ComponentLink4URL=C:\ALTIUM_WORK\00001_MCHP-CDB\Library\Footprints\LED_0603_RED.PcbLib, ComponentLink5Description="Open Footprint 2", ComponentLink6Description="Open Footprint 3", ComponentLink7Description="Open Footprint 4", Description_="DIO LED RED 1.8V 40mA 10mcd Clear SMD 0603", Dev Tools Status=Production, Manufacturer 2=Lite-On, MCHP-ID=LED0063, Populated=YES, Quantity Override=1, Revision=1, Status="MCL Design", Supplier 1=Digi-Key, Supplier 2=Digi-Key, Supplier Part Number 2=160-1181-1-ND, Symbol=LED_red, Type="LED Single"